# Altium PCB focDriver.PcbDoc (part 2 of 2) (continued)
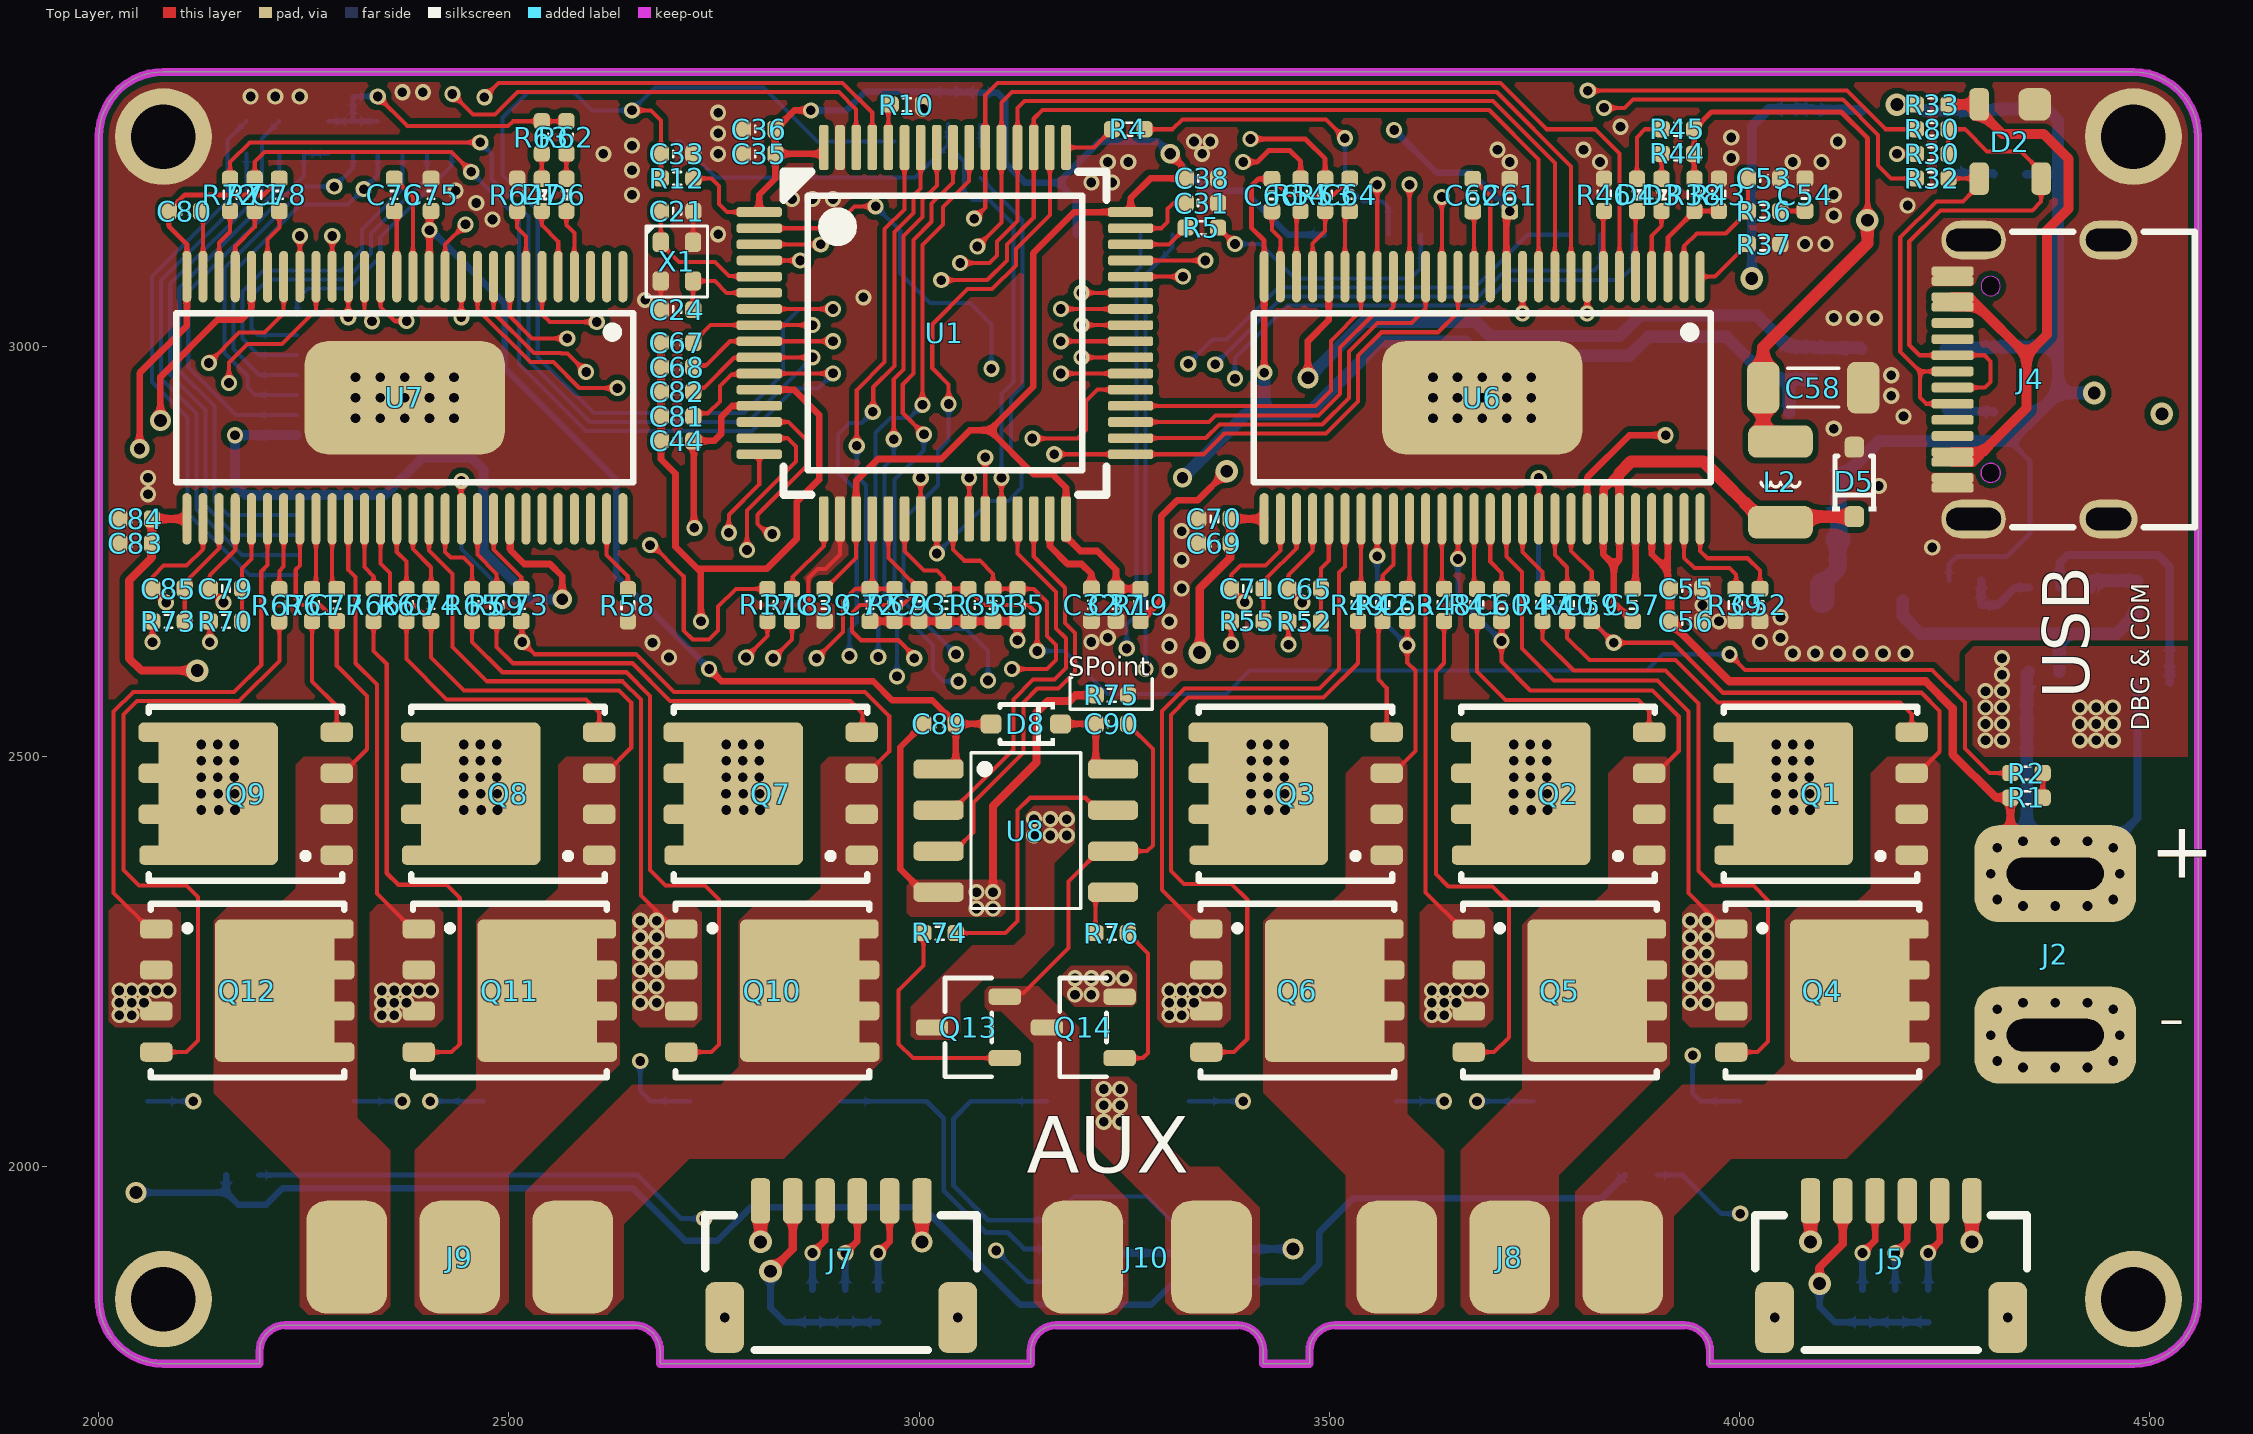
[diagram p0: Top Layer view]
## Nets (pads, with @x,y where several pads share a name; then routed paths per layer and width w, separated by ;. In a path a pad name is that pad's centre, name@x,y a point inside that pad or via, vN(x,y) a via of type N, cw(c..) or ccw(c..) an arc to the next point about the centre after c; other vN are vias at no path point) (continued)
NetR78_2: R78.2 U9.1 | length 55.1
  Bottom Layer w5: R78.2@3194.68,1860 3195.89,1858.8 3247.6,1858.8 U9.1@3248.8,1857.6
nFAULT: U1.54 U6.6 U7.6 | length 1778.6
  Top Layer w5: U7.6@2540.31,3085.32 2540.31,3039.41 2549.72,3030 v1(2607,3030) ; v1(3067,3156) 3080.63,3169.63 U1.54@3080.63,3242.74 3080.63,3306.63 3095.3,3321.3 3708.7,3321.3 3765,3265 3824,3265 3853.7,3235.3 U6.6@3853.7,3085.32
  Power w5: v1(2607,3030) 2766.33,3030 2816.89,3080.56 2816.89,3112.89 2849,3145 2898,3145 2910,3133 3044,3133 v1(3067,3156)
OLED_RES: C50.1 R31.1 U5.9 | length 505.6
  Bottom Layer w5: U5.9@2241.73,2916.61 2167.39,2916.61 2109,2975 2109,3067.11 2250,3208.11 C50.1@2250,3235.32 R31.1@2280,3235.32
OLED_SCL: R24.1 U1.61 U5.10 | length 1259.6
  Top Layer w5: v1(2470,3304) 2487.3,3321.3 2906.7,3321.3 2942.84,3285.16 U1.61@2942.84,3242.74
  Power w5: v1(2287,3195) 2311,3171 2336,3171 2347,3182 2347,3230 2362,3245 2385,3245 2426,3286 2452,3286 v1(2470,3304)
  Bottom Layer w5: U5.10@2241.73,2941.02 2190.98,2941.02 2181,2951 2181,2964.44 2153,2992.44 2153,3095.56 2252.44,3195 v1(2287,3195) 2310,3218 R24.1@2310,3235.32
OLED_SDA: R25.1 U1.62 U5.11 | length 1178.7
  Top Layer w5: v1(2431,3308) 2456,3283 2483,3283 2510.3,3310.3 2902.14,3310.3 2923.15,3289.29 U1.62@2923.15,3242.74
  Power w5: v1(2323,3192) 2323,3222 2357,3256 2379,3256 v1(2431,3308)
  Bottom Layer w5: U5.11@2241.73,2965.43 2195.57,2965.43 2164,2997 2164,3091 2246,3173 2304,3173 2322,3191 2340,3209 R25.1@2340,3235.32
PGND: C2.2 C3.2 C4.2 C5.2 C6.2 C7.2 C8.2 C9.2 C10.2 C11.2 C12.2 C13.2 C14.2 C15.2 C16.2 C17.2 C18.2 C19.2 C22.2 C23.2 C65.2 C71.2 C79.2 C85.2 C86.2 C87.2 C88.2 C89.2 C92.2 J2.2 Q4.2 Q10.2 Q14.2 R7.2 R11.2 R50.2 R51.2 R68.2 R69.2 R75.2 R79.2 U2.1 U6.30 U6.32 U6.44 U7.30 U7.32 U7.44 U8.4 U9.4 | length 6729.5
  Top Layer w5: C85.2@2065.32,2704.65 v1(2082,2688) ; C85.2@2065.32,2705 2065.81,2705.49 2065.81,2719.81 2079,2733 2107,2733 2126.93,2752.93 U7.30@2126.93,2790 ; C79.2@2135.32,2704.65 v1(2152,2688) ; C79.2@2135.32,2705 2135.32,2721.32 2166.3,2752.3 U7.32@2166.3,2790 ; U7.44@2402.52,2790 2402.52,2751.48 2431,2723 2431,2634 2473,2592 2638.56,2592 2661,2569.56 2661,2331 2702,2290 Q10.2@2710,2290 ; v1(3397,2688.35) C71.2@3380.32,2705 3380.32,2721.32 3392,2733 3422.03,2733 3440.32,2751.29 U6.30@3440.32,2790 ; C65.2@3450.32,2704.65 v1(3467,2688) ; C65.2@3450.32,2705 3450.32,2721.32 3479.69,2750.69 U6.32@3479.69,2790 ; U6.44@3715.91,2790 3715.91,2744.09 3735,2725 3735,2632 3774,2593 3900,2593 3938,2555 3938,2334.13 3982.13,2290 Q4.2@3990,2290
  Top Layer w8: C89.2@3005.32,2540 2977,2511.68 2977,2363 3005,2335 U8.4@3023.7,2335
  Top Layer w10: v1(3090,2335) 3090,2440 3143,2493 3143,2554 3157,2568 3183.47,2568 3190.47,2575 R75.2@3215.32,2575
  Gnd w6: v1(2082,2688) 2100,2670 2100,2632 2077.32,2609.32 2077.32,2356.68 2165,2269 2165,2140 2225,2080 v1(2370,2080) ; v1(2152,2688) 2172,2668 2172,2619.97 2475,2316.97 2475,2204 2550,2129 v1(2660,2129) ; v1(3397,2688.35) 3397,2666 3411,2652 3411,2597.97 3429.97,2579 3468.97,2579 3532,2515.97 3532,2155 3607,2080 v1(3640,2080) ; v1(3467,2688) 3485,2670 3485,2620 3773,2332 3773,2184 3821,2136 v1(3943,2136)
  Bottom Layer w5: C92.2@3155.32,1900 3175,1919.68 3175,1950 3189,1964 3278,1964 3309.6,1932.4 U9.4@3351.2,1932.4
  Bottom Layer w6: R69.2@2310.98,2080 v1(2370,2080) ; v1(2660,2129) 2660,2093 2673,2080 R68.2@2720.98,2080 ; R79.2@2904.02,2080 3009,2080 3030,2059 3030,1971 3081,1920 3108,1920 3128,1900 C92.2@3155.32,1900 ; R51.2@3580.98,2080 v1(3640,2080) ; v1(3943,2136) 3943,2090 3953,2080 R50.2@4000.98,2080
  other v1: 2660,2200 2680,2200 3940,2200 3960,2200 3190,2210 3210,2210 2660,2220 2680,2220 3940,2220 3960,2220 3190,2230 3210,2230 3230,2230 3250,2230 2660,2240 2680,2240 3940,2240 3960,2240 2660,2260 2680,2260 3940,2260 3960,2260 2660,2280 2680,2280 3940,2280 3960,2280 2660,2300 2680,2300 3940,2300 3960,2300 3070,2315 3090,2315 3070,2335 4300,2520 4320,2520 4415,2520 4435,2520 4455,2520 4300,2540 4320,2540 4415,2540 4435,2540 4455,2540 4300,2560 4320,2560 4415,2560 4435,2560 4455,2560 4300,2580 4320,2580 4320,2600 4320,2620
SH1_A: C73.2 J9.3 Q7.2 Q10.3 U7.46 | length 871.4
  Top Layer w5: U7.46@2441.89,2790 v1(2441.89,2836.28) ; C73.2@2515,2665.32 2516,2664.32 v1(2516,2640) 2531,2625 2655,2625 2701,2579 2934,2579 2963.5,2549.5 2963.5,2506.5 2937,2480 Q7.2@2930,2480
  Bottom Layer w5: v1(2441.89,2836.28) 2441.89,2753.11 2516,2679 v1(2516,2640)
SH1_B: C74.2 J9.2 Q8.2 Q11.3 U7.41 | length 582.4
  Top Layer w5: U7.41@2343.46,2790 2343.46,2735.54 2355,2724 2355,2691 2361,2685 2384.92,2685 2404.61,2665.32 C74.2@2405,2665.32 2405,2621 2445,2581 2634,2581 2649,2566 2649,2511 2618,2480 Q8.2@2610,2480
SH1_C: C77.2 J9.1 Q9.2 Q12.3 U7.36 | length 380.9
  Top Layer w5: U7.36@2245.04,2790 2245.04,2733.04 2240,2728 2240,2693 2248,2685 2269.92,2685 2290,2664.92 2290,2611 2327,2574 2327,2509.13 2297.87,2480 Q9.2@2290,2480
SH_A: C59.2 J8.3 Q1.2 Q4.3 U6.46 | length 869.1
  Top Layer w5: U6.46@3755.28,2790 v1(3755.28,2840) ; C59.2@3820,2665.32 3820.39,2665.32 v1(3846.71,2639) 3919,2639 3980,2578 4222,2578 4244,2556 4244,2506.13 4217.87,2480 Q1.2@4210,2480
  Bottom Layer w6: v1(3755.28,2840) 3755.28,2702.72 3778,2680 3805.71,2680 v1(3846.71,2639)
SH_B: C60.2 J8.2 Q2.2 Q5.3 U6.41 | length 553.3
  Top Layer w5: v1(3656.85,2741.15) U6.41@3656.85,2790 ; C60.2@3710,2665.32 3710,2643 3710,2616 3745,2581 3894,2581 3926,2549 3926,2507 3899,2480 Q2.2@3890,2480
  Bottom Layer w6: v1(3656.85,2741.15) 3656.85,2694.15 v1(3710,2641)
SH_C: C63.2 J8.1 Q3.2 Q6.3 U6.36 | length 378.1
  Top Layer w5: v1(3558.43,2744.57) U6.36@3558.43,2790 ; Q3.2@3570,2480 3577.87,2480 3605,2507.13 3605,2605 3595,2615 C63.2@3595,2665.32 C63.2@3594.61,2665.32
  Bottom Layer w6: v1(3558.43,2744.57) 3558.43,2672.57 v1(3595,2636)
SL1_B: Q11.2 R68.1 R70.2 U7.39 | length 1350.4
  Top Layer w5: v1(2135.32,2639.68) R70.2@2135.32,2665 ; U7.39@2304.09,2790 2304.09,2727.91 2313,2719 2313,2614 2339,2588 2339,2333.13 2382.13,2290 Q11.2@2390,2290
  Gnd w6: v1(2135.32,2639.68) 2463,2312 2463,2184 2404,2125 v1(2404,2080)
  Bottom Layer w6: v1(2404,2080) R68.1@2469.02,2080
  other v1: 2345,2185 2360,2185 2345,2200 2360,2200 2375,2200 2345,2215 2360,2215 2375,2215 2390,2215 2405,2215
SL1_C: Q12.2 R69.1 R73.2 U7.34 | length 1369
  Top Layer w5: v1(2065.32,2639.68) R73.2@2065.32,2665 ; Q12.2@2070,2290 2062.13,2290 2018,2334.13 2018,2555 2042,2579 2165,2579 2198,2612 2198,2726 2205.67,2733.67 U7.34@2205.67,2790
  Gnd w6: v1(2065.32,2639.68) 2065.32,2351.71 2153,2264.03 2153,2118 v1(2115,2080)
  Bottom Layer w6: R69.1@2059.02,2080 v1(2115,2080)
  other v1: 2025,2185 2040,2185 2025,2200 2040,2200 2055,2200 2025,2215 2040,2215 2055,2215 2070,2215 2085,2215
SL_B: Q5.2 R50.1 R52.2 U6.39 | length 1343.4
  Top Layer w5: v1(3450.32,2636.68) R52.2@3450.32,2665 ; U6.39@3617.48,2790 3617.48,2334.65 3662.13,2290 Q5.2@3670,2290
  Gnd w6: v1(3450.32,2636.68) 3761,2326 3761,2207 3679.01,2125.01 3679.01,2080.99 v1(3680,2080)
  Bottom Layer w6: v1(3680,2080) R50.1@3749.02,2080
  other v1: 3625,2185 3640,2185 3625,2200 3640,2200 3655,2200 3625,2215 3640,2215 3655,2215 3670,2215 3685,2215
SL_C: Q6.2 R51.1 R55.2 U6.34 | length 1543.4
  Top Layer w5: Q6.2@3350,2290 3343.7,2290 3333.31,2300.38 3333.31,2300.49 3296,2337.81 3296,2555.56 3323.44,2583 3488,2583 3512,2607 3512,2724.82 3519.06,2731.88 U6.34@3519.06,2790 ; v1(3380.32,2636.68) R55.2@3380.32,2665
  Gnd w6: v1(3380.32,2636.68) 3380.32,2611.68 3425,2567 3464,2567 3520,2511 3520,2128 3472,2080 v1(3395,2080)
  Bottom Layer w6: R51.1@3329.02,2080 v1(3395,2080)
  other v1: 3305,2185 3320,2185 3305,2200 3320,2200 3335,2200 3305,2215 3320,2215 3335,2215 3350,2215 3365,2215
SPI_MISO: U1.52 U6.10 U7.10 | length 1806.1
  Top Layer w5: U7.10@2461.57,3085.32 2461.57,3045.43 2526,2981 2554,2981 2585.63,2949.37 v1(2632.35,2949.37) ; v1(3050,3102) 3086,3102 3095,3111 3095,3128 3120,3153 U1.52@3120,3242.74 3120,3291 3128.3,3299.3 3699.58,3299.3 3774.96,3223.93 U6.10@3774.96,3085.32
  Power w5: v1(2632.35,2949.37) 2668.98,2986 2785,2986 2910,3111 3019,3111 3028,3102 v1(3050,3102)
SPI_MOSI: U1.53 U6.9 U7.9 | length 1786.2
  Top Layer w5: U7.9@2481.26,3085.32 2481.26,3041.3 2530.56,2992 2563.56,2992 2563.9,2991.66 2571.34,2991.66 v1(2594,2969) ; v1(3071,3122) 3100.32,3151.32 3100.32,3297.32 3113.3,3310.3 3704.14,3310.3 3794.65,3219.79 U6.9@3794.65,3085.32
  Power w5: v1(2594,2969) 2620.11,2969 2648.11,2997 2780,2997 2905,3122 v1(3071,3122)
SPI_SCK: U1.51 U6.11 U7.11 | length 1821.2
  Top Layer w5: v1(2441.89,3035.67) U7.11@2441.89,3085.67 ; U7.11@2441.89,3085.32 U7.11@2441.89,3085.32 ; v1(3027,3081) 3083,3081 3107,3105 3107,3124.44 3139.69,3157.13 U1.51@3139.69,3242.74 3139.69,3277.8 3150.19,3288.3 3695.03,3288.3 3755.28,3228.05 U6.11@3755.28,3085.32
  Power w5: v1(2441.89,3035.67) 2477.33,3035.67 2584,2929 2650,2929 2696,2975 2790.26,2975 2914.26,3099 3009,3099 v1(3027,3081)
STA_LED: D1.1 U1.24 | length 588.4
  Top Layer w5: v1(3021.58,2747.81) U1.24@3021.58,2790
  Bottom Layer w5: v1(3021.58,2747.81) 3085.77,2812 3109,2812 3125,2828 3125,2857 3112,2870 3112,2938 3126,2952 3126,3153.56 3120.37,3159.19 3120.37,3159.95 D1.1@3075,3205.32
SWCLK: R4.2 U1.49 | length 65.5
  Top Layer w5: U1.49@3179.06,3242.74 3213.05,3242.74 R4.2@3235.32,3265
SWDIO: R5.2 U1.46 | length 75.6
  Top Layer w5: U1.46@3257.79,3124.64 3304.64,3124.64 R5.2@3325,3145
UART_RX: R18.2 U1.17 | length 101.4
  Top Layer w5: R18.2@2845,2704.68 2845.88,2705.56 2845.88,2719.1 2883.78,2757 U1.17@2883.78,2790
UART_TX: R17.2 U1.16 | length 498.8
  Top Layer w5: v1@2672,2761 2713,2720 2713,2654 2724,2643 2744,2643 2755,2654 2755,2683 2776.68,2704.68 R17.2@2815,2704.68 ; v1(2768,2773) 2768,2795 2805.05,2832.05 U1.16@2805.05,2868.73
  Power w5: v1(2672,2758) 2687,2743 2738,2743 v1(2768,2773)
USB_D+: D2.4 J4.A6 J4.B6 R30.1 R80.1 | length 689.3
  Top Layer w5: R30.1@4254.69,3235 R80.1@4254.69,3265 4275,3265 4302,3238 4343,3238 4367.8,3213.2 4367.8,3176.8 4357,3166 4245,3166 4207,3128 4207,3002 4219.55,2989.45 J4.B6@4259.84,2989.45 4298.55,2989.45 4306,2982 4306,2957 4299.08,2950.08 J4.A6@4259.84,2950.08
USB_D-: D2.3 J4.A7 J4.B7 R32.1 | length 460.7
  Top Layer w5: R32.1@4249.69,3205 4291.93,3205 D2.3@4292.2,3204.72 4292.2,3196.85 4272.35,3177 4240,3177 4196,3133 4196,2994 4220.24,2969.76 ; J4.B7@4259.84,2930.39 4227.61,2930.39 4220.24,2937.76 4220.24,2969.76 ; J4.A7@4259.84,2969.76 4220.24,2969.76
USB_DM: R32.2 U1.44 | length 1149.6
  Top Layer w5: U1.44@3257.79,3085.27 v1(3321.73,3085.27) ; v1(3835,3291) 3860,3291 3870,3301 4126,3301 4169,3258 4169,3221 4185,3205 R32.2@4215.31,3205
  Power w5: v1(3321.73,3085.27) 3365.27,3085.27 3373.89,3093.89 3491.89,3093.89 3531,3133 3531,3203.44 3548.56,3221 3641,3221 3711,3291 v1(3835,3291)
USB_DP: R80.2 U1.45 | length 1103.2
  Top Layer w5: U1.45@3257.79,3104.95 v1(3348.95,3104.95) ; v1(3815,3312) 4131,3312 4178,3265 R80.2@4215.31,3265
  Power w5: v1(3348.95,3104.95) 3485.95,3104.95 3519,3138 3519,3207 3547,3235 3639,3235 3706,3302 3786.51,3302 3796.51,3312 v1(3815,3312)
USB_VCC: D2.2 J4.A4 J4.A9 J4.B4 J4.B9 R33.1 | length 807.5
  Top Layer w12: R33.1@4254.96,3295.28 D2.2@4292.2,3295.28 ; J4.A4@4259.84,2859.53 4284.53,2859.53 4296.34,2871.34 ; J4.B9@4259.84,2871.34 4296.34,2871.34 ; J4.A9@4259.85,3060.32 4279.35,3060.32 4291.07,3048.59 ; J4.B4@4259.94,3048.59 4291.07,3048.59 ; 4291.25,3048.59 4291.07,3048.59 ; D2.2@4295.43,3284.17 4320.61,3259 4371,3259 4401,3229 4401,3168 4375,3142 4375,3014.67 4350,2989.67 ; 4305,2880 4296.34,2871.34 ; 4291.07,3048.59 4350,2989.67 ; 4296.34,2871.34 4350,2925 4350,2989.67
VBUS_S: C1.1 R2.1 R3.2 U1.22 | length 1607.2
  Top Layer w5: U1.22@2982.21,2790 2982.41,2789.8 2982.41,2750.59 3006,2727 3022,2727 3029.9,2719.1 3029.9,2704.78 C1.1@3030,2704.68 R3.2@3060,2704.68 3079.68,2685 3133,2685 3144,2674 v1(3144,2629) ; v1(3988,2625) 4007,2606 4235,2606 4275,2566 4275,2510 4305,2480 R2.1@4330.31,2480
  Bottom Layer w5: v1(3144,2629) 3177,2629 3229.5,2576.5 3374.5,2576.5 3403,2605 3887,2605 3907,2625 v1(3988,2625)
VCC: C42.1 C43.1 C47.1 J5.2 J7.2 R19.1 R21.2 R22.2 R23.2 R24.2 R25.2 R27.2 R28.2 R29.2 R30.2 R31.2 R62.1 R63.1 U4.5 U5.5 U5.8 U6.49 U7.49 | length 8468.4
  Top Layer w5: v1(2340,3305) 2376,3269 2499,3269 2504.68,3274.68 R63.1@2540,3274.68 R62.1@2570,3274.68 ; v1(4192,3235) R30.2@4215.31,3235
  Top Layer w8: U7.49@2500.94,2790 2501.52,2789.42 2501.52,2752.16 2518.68,2735 2550,2735 2565,2720 v4(2565,2691.89) ; R19.1@3270,2665.32 3295,2690.32 3295,2793 3314.51,2812.51 3339.51,2812.51 v2(3375,2848) ; U6.49@3814.33,2790 3814.33,2840.33 3866,2892 v1(3910,2892)
  Top Layer w10: v2(2818.79,1872.79) 2845.94,1899.94 J7.2@2845.94,1958.62 ; v2(4097.79,1857.79) 4097.64,1857.94 4097.64,1877.64 4125.94,1905.94 J5.2@4125.94,1958.62
  Power w5: 4182,3083 4182,3198 4192,3208 v1(4192,3235)
  Power w6: v1(2166,2892) 2108,2950 2108,2995 2206,3093 2206,3171 v1(2340,3305)
  Power w12: v4(2565,2691.89) 3132.89,2691.89 3345,2904 3375,2904 ; v2(2818.79,1872.79) 2818.79,1873.32 2841,1895.52 2841,1953.42 2873.08,1985.5 4014.5,1985.5 4043.38,1956.62 4043.38,1881.62 4067.21,1857.79 v2(4097.79,1857.79) 4307.79,1857.79 4390,1940 4447.58,1940 4542.06,2034.48 4542.06,2890.94 v2(4515,2918) 4436,2997 4268,2997 4182,3083 v2(4015,3083) 3936,3004 ; v2(3375,2848) 3375,2904 ; v1(3910,2892) 3936,2918 3936,3004 ; 3375,2904 3464,2904 3599,3039 3669,3039 3704,3004 3936,3004
  Bottom Layer w6: R31.2@2280,3274.68 R24.2@2310,3274.68 ; R25.2@2340,3274.68 R24.2@2310,3274.68 ; v1(2340,3305) C47.1@2309.68,3305 2309.84,3304.84 2309.84,3274.84 R24.2@2310,3274.68
  Bottom Layer w8: v2(2818.79,1872.79) 2818.79,1828.21 2836.37,1810.63 R27.2@2870,1810.63 R28.2@2910,1810.63 R29.2@2950,1810.63 ; v2(4097.79,1857.79) 4097.79,1829.21 4116.37,1810.63 R21.2@4150,1810.63 R22.2@4190,1810.63 R23.2@4230,1810.63
  Bottom Layer w12: U5.8@2241.73,2892.2 2241.63,2892.1 2166.1,2892.1 v1(2166,2892) 2166,2832 2179.02,2818.98 U5.5@2241.73,2818.98 2348.98,2818.98 2395,2865 2454,2865 2469,2850 2469,2751 2528.11,2691.89 v4(2565,2691.89) ; v2(4015,3083) 4015,3269 4035.68,3289.68 C42.1@4060,3289.68 C43.1@4090,3289.68 4091.14,3288.54 4147.66,3288.54 U4.5@4148.8,3287.4
VDD3V3: C35.1 C36.1 C37.1 C38.1 C39.1 J1.1 J3.1 R12.2 R13.2 R19.2 R20.1 U1.1 U1.19 U1.32 U1.48 U1.64 | length 2355.9
  Top Layer w5: R12.2@2724.68,3205 2747,3205 2756,3196 2756,3174 2765.99,3164.01 U1.1@2805.05,3164.01 ; C39.1@2885,2704.68 2885.39,2704.68 2923.15,2742.44 U1.19@2923.15,2790
  Top Layer w8: U1.1@2805.05,3164.01 2805.05,3185.05 2824.68,3204.68 C35.1@2824.68,3235 ; C36.1@2824.68,3265.39 C36.1@2824.68,3265 ; v1(2868,3288) 2847.68,3288 C36.1@2824.68,3265 ; U1.64@2883.78,3242.74 2883.78,3236.76 2882.02,3235 C35.1@2824.68,3235 ; U1.19@2923.15,2790 2923.15,2836.15 2950,2863 3027,2863 3062,2898 3086,2898 ; C37.1@3240,2705 3240.16,2704.84 3269.84,2704.84 R19.2@3270,2704.68 ; C37.1@3240,2705.1 3240,2728 3217.19,2750.81 3196.6,2750.81 3179.06,2768.35 U1.32@3179.06,2790 3179.06,2827.94 3162.53,2844.47 3139.53,2844.47 3086,2898 ; v4(3306,3235) 3320.04,3220.96 3320.04,3210.27 C38.1@3325.32,3205 3282,3205 3257.79,3180.79 U1.48@3257.79,3164.01 3189.01,3164.01 3139,3114 3139,2951 3086,2898 ; C35.1@2824.68,3235 C36.1@2824.68,3265
  Bottom Layer w8: v1(2868,3288) 2911.37,3288 2934.05,3310.68 R13.2@3035,3310.68 ; R13.2@3035,3310.18 3074.5,3310.18 R20.1@3075,3309.68 3095.32,3309.68 3105,3300 3105,3224 3129.05,3199.95 3169.95,3199.95 ; J3.1@3190.95,3136.38 3190.95,3178.95 3169.95,3199.95 ; v4(3306,3235) 3291,3250 3220,3250 3169.95,3199.95 ; v4@3310,3231 3351,3190 3396,3190 3449.62,3136.38 J1.1@3493.45,3136.38
pads on no net: J4.A5 J4.A8 J4.B5 J4.B8 U3.4 U4.4 U5.6 U7.1 U7.2 U7.3 U7.50 U7.51 U7.52 U7.53 U7.54 U7.56

## Polygon pours and split planes (outlines as drawn)
GND on Top Layer "GND_L01_P080" (solid, pour order 80): 2080,3335 ccw(c2080,3255) 2000,3255 2000,2570 4560,2570 4560,3255 ccw(c4480,3255) 4480,3335
PGND on Top Layer "PGND_L01_P075" (solid, pour order 75): 4275,2500 4560,2500 4560,2635 4285.82,2635 4275,2624.18
PGND on Top Layer "PGND_L01_P078" (solid, pour order 78): 2992,2350 2985,2343 2985,2310 2990,2305 3100,2305 3105,2310 3105,2345 3100,2350
DCBUS on Top Layer "DCBUS_L01_P070" (solid, pour order 70): 3190,2430 3190,2395 3165,2370 3165,2270 3125,2230 3080,2230 3050,2200 3050,2165 3040,2155 2995,2155 2990,2160 2990,2195 3065,2270 3115.51,2270 3130,2284.49 3130,2430 3140,2440 3180,2440
PGND on Top Layer "PGND_L01_P066" (solid, pour order 66): 3260,2195 3265,2200 3265,2235 3255,2245 3185,2245 3175,2235 3175,2210 3190,2195
NetJ10_2 on Top Layer "NETJ10_2_L01_P063" (solid, pour order 63): 3215,2110 3210,2105 3210,2030 3300,1940 3300,1835 3315,1820 3405,1820 3415,1830 3415,1950 3365,2000 3330,2000 3265,2065 3265,2100 3255,2110
NetC90_2 on Top Layer "NETC90_2_L01_P059" (solid, pour order 59): 3195,2170 3195,2020 3255,1960 3255,1835 3240,1820 3155,1820 3140,1835 3140,2150 3100,2190 3085,2190 3080,2195 3080,2215 3085,2220 3145,2220
SH1_C on Top Layer "SH1_C_L01_P041" (solid, pour order 41): 2305,2500 2315,2490 2315,2060 2355,2020 2355,1830 2345,1820 2255,1820 2245,1830 2245,1985 2140,2090 2140,2300 2160,2320 2220,2320 2240,2340 2240,2490 2250,2500
SH1_B on Top Layer "SH1_B_L01_P040" (solid, pour order 40): 2625,2500 2635,2490 2635,2125 2500,1990 2500,1835 2485,1820 2395,1820 2385,1830 2385,2020 2460,2095 2460,2300 2480,2320 2540,2320 2560,2340 2560,2490 2570,2500
SH1_A on Top Layer "SH1_A_L01_P039" (solid, pour order 39): 2945,2500 2955,2490 2955,2130 2835,2010 2720,2010 2640,1930 2640,1840 2620,1820 2530,1820 2520,1830 2520,1970 2650,2100 2758.07,2100 2780,2121.93 2780,2300 2800,2320 2860,2320 2880,2340 2880,2490 2890,2500
PGND on Top Layer "PGND_L01_P056" (solid, pour order 56): 2725,2320 2735,2310 2735,2180 2725,2170 2660,2170 2650,2180 2650,2310 2660,2320
SL1_B on Top Layer "SL1_B_L01_P053" (solid, pour order 53): 2410,2320 2420,2310 2420,2180 2410,2170 2340,2170 2330,2180 2330,2310 2340,2320
SL1_C on Top Layer "ryy" (solid, pour order 52): 2090,2320 2100,2310 2100,2180 2090,2170 2020,2170 2010,2180 2010,2310 2020,2320
PGND on Top Layer "PGND_L01_P051" (solid, pour order 51): 4005,2320 4015,2310 4015,2180 4005,2170 3940,2170 3930,2180 3930,2310 3940,2320
SH_A on Top Layer "SH_A_L01_P005" (solid, pour order 5): 4055,2125 4030,2100 3930,2100 3800,1970 3800,1830 3810,1820 3910,1820 3920,1830 3920,1940 3990,2010 4130,2010 4245,2125 4245,2490 4235,2500 4180,2500 4160,2480 4160,2340 4140,2320 4075,2320 4055,2300
SL_C on Top Layer "SL_C_L01_P024" (solid, pour order 24): 3370,2320 3380,2310 3380,2180 3370,2170 3300,2170 3290,2180 3290,2310 3300,2320
SL_B on Top Layer "SL_B_L01_P025" (solid, pour order 25): 3690,2320 3700,2310 3700,2180 3690,2170 3620,2170 3610,2180 3610,2310 3620,2320
SH_C on Top Layer "SH_C_L01_P008" (solid, pour order 8): 3585,2500 3595,2490 3595,2065 3640,2020 3640,1830 3630,1820 3530,1820 3520,1830 3520,1990 3419.49,2090.51 3419.49,2299.49 3440,2320 3500,2320 3520,2340 3520,2480 3540,2500
SH_B on Top Layer "SH_B_L01_P028" (solid, pour order 28): 3910,2500 3915,2495 3915,2125 3780,1990 3780,1830 3770,1820 3670,1820 3660,1830 3660,2020 3735,2095 3735,2295 3760,2320 3820,2320 3840,2340 3840,2480 3860,2500
GND on Bottom Layer "GND_L04_P083" (solid, pour order 83): 2080,3335 ccw(c2080,3255) 2000,3255 2000,2575 4560,2575 4560,3255 ccw(c4480,3255) 4480,3335
GND on Bottom Layer "GND_L04_P085" (solid, remove dead copper, pour order 85): 4560,1990 2000,1990 2000,1840 ccw(c2080,1840) 2080,1760 4480,1760 ccw(c4480,1840) 4560,1840
PGND on Bottom Layer "PGND_L04_P001" (solid, pour order 1): 4275,2530 4310,2495 4540,2495 4560,2515 4560,2625 4550,2635 4285.82,2635 4275,2624.18
DCBUS on Bottom Layer "DCBUS_L04_P081" (solid, pour order 81): 4280,2280 4190,2370 2078.74,2370 2078.74,2545 4235,2545 4320,2460 4480,2460 4490,2450 4490,2301.5 4468.5,2280
PGND on Bottom Layer "PGND_L04_P045" (solid, pour order 45): 4490,2240 4470,2260 4270,2260 4180,2350 2078.74,2350 2078.74,2190 4100,2190 4230,2060 4470,2060 4490,2080
NetJ10_2 on Bottom Layer "NETJ10_2_L04_P064" (solid, pour order 64): 3245,2010 3260,2025 3260,2135 3245,2150 3125,2150 3115,2140 3115,2020 3125,2010
PGND on Bottom Layer "PGND_L04_P065" (solid, pour order 65): 2872.61,2232.84 2947.16,2232.84 2955,2225 2955,2019.57 2945.43,2010 2875,2010 2865,2020 2865,2175 2865,2225.23
PGND on Bottom Layer "PGND_L04_P055" (solid, pour order 55): 2340,2010 2350,2020 2350,2150 2331.84,2168.16 2331.84,2200 2250,2200 2250,2020 2260,2010 2290,2010
PGND on Bottom Layer "PGND_L04_P062" (solid, pour order 62): 2689.58,2232.84 2764.13,2232.84 2771.97,2225 2771.97,2019.57 2762.4,2010 2691.97,2010 2681.97,2020 2681.97,2175 2681.97,2225.23
PGND on Bottom Layer "PGND_L04_P057" (solid, pour order 57): 3969.58,2232.84 4044.13,2232.84 4051.97,2225 4051.97,2019.57 4042.4,2010 3971.97,2010 3961.97,2020 3961.97,2175 3961.97,2225.23
SL1_C on Bottom Layer "SL1_C_L04_P014" (solid, pour order 14): 2022.84,2232.84 2092.39,2232.84 2100,2225.23 2100,2020 2090,2010 2024.48,2010 2015,2019.48 2015,2225
SL1_B on Bottom Layer "SL1_B_L04_P034" (solid, pour order 34): 2337.61,2232.84 2422.16,2232.84 2520,2135 2520,2020 2510,2010 2440,2010 2430,2020 2430,2080 2330,2180 2330,2225.23
PGND on Bottom Layer "PGND_L04_P054" (solid, pour order 54): 3610,2010 3620,2020 3620,2150 3601.84,2168.16 3601.84,2200 3520,2200 3520,2020 3530,2010 3560,2010
SL_C on Bottom Layer "SL_C_L04_P043" (solid, pour order 43): 3297.61,2232.84 3372.16,2232.84 3380,2225 3380,2019.57 3370.43,2010 3300,2010 3290,2020 3290,2175 3290,2225.23
SL_B on Bottom Layer "SL_B_L04_P038" (solid, pour order 38): 3617.61,2232.84 3702.16,2232.84 3800,2135 3800,2020 3790,2010 3714.09,2010 3702.16,2021.94 3702.16,2087.84 3610,2180 3610,2225.23
GND on Power "GND_L02_P082" (solid, pour order 82): 2080,3335 ccw(c2080,3255) 2000,3255 2000,2565 4560,2565 4560,3255 ccw(c4480,3255) 4480,3335
DCBUS on Power "DCBUS_L02_P042" (solid, pour order 42): 4290,2280 4195,2375 2090,2375 2090,2540 4240,2540 4320,2460 4465,2460 4490,2435 4490,2301.5 4468.5,2280
PGND on Power "PGND_L02_P037" (solid, pour order 37): 4490,2225 4470,2245 4275,2245 4170,2350 2195.91,2350 2195.91,2185 4105,2185 4215,2075 4470,2075 4490,2095
GND on Gnd "GND_L03_P086" (solid, remove dead copper, pour order 86): 4560,2585 4500,2585 4500,2075 4415,1990 2000,1990 2000,1840 ccw(c2080,1840) 2080,1760 4480,1760 ccw(c4480,1840) 4560,1840
GND on Gnd "GND_L03_P084" (solid, pour order 84): 2080,3335 ccw(c2080,3255) 2000,3255 2000,2570 4560,2570 4560,3255 ccw(c4480,3255) 4480,3335
PGND on Gnd "PGND_L03_P074" (solid, pour order 74): 4455,2500 4470,2515 4470,2604.33 4439.32,2635 4294.49,2635 4139,2479.51 4139,2181 4220,2100 4470,2100 4485,2115 4485,2210 4470,2225 4285,2225 4255,2255 4255,2420 4335,2500

## Keep-outs
Keep-Out Layer:
  lines w10: 2000,1838.74 ccw(c2078.74,1838.74) 2078.74,1760 2195.91,1760 2195.91,1775.59 cw(c2227.4,1775.59) 2227.4,1807.09 2440,1807.09 2652.6,1807.09 cw(c2652.6,1775.59) 2684.09,1775.59 2684.09,1760 3136.02,1760 3136.02,1775.59 cw(c3167.52,1775.59) 3167.52,1807.09 3277.76,1807.09 3387.99,1807.09 cw(c3387.99,1775.59) 3419.49,1775.59 3419.49,1760 3475.91,1760 3475.91,1775.59 cw(c3507.4,1775.59) 3507.4,1807.09 3720,1807.09 3932.6,1807.09 cw(c3932.6,1775.59) 3964.09,1775.59 3964.09,1760 4480.31,1760 ccw(c4480.31,1838.74) 4559.06,1838.74 4559.06,3256.06 ccw(c4480.31,3256.06) 4480.32,3334.8 2078.74,3334.8 ccw(c2078.74,3256.06) 2000,3256.06 2000,1838.74

## Silkscreen, mask and mechanical layers (free items; w line width, h text height)
Top Overlay:
  lines w3.94: 3183.94,2597 3183.94,2558 3284,2558 3284.05,2558 3284.05,2595 ; 3184,2597 3186,2597
  text "SPoint" at 3182.03,2590.9 h39.37
  text "USB" at 4445.62,2570.47 h98.43 r90
  text "DBG & COM" at 4506.83,2532 h37.4 r90
  text "+" at 4500,2330 h118.11
  text "-" at 4510,2130 h118.11
  text "AUX" at 3131.08,1970.59 h118.11
Bottom Overlay:
  lines w3.94: 4152.56,2259 4152.56,2109 4260,2109 4260,2260 ; 4223.94,2588 4223.94,2627 4324,2627 ; 4324.05,2590 4324.05,2627
  lines w7.87: 4130,2449.41 4280,2449.41 ; 4420,1970 4535,1970
  lines w10: 3970,2849 3970,2970
  text "Fn" at 2671.32,3097.71 h78.74
  text "RST" at 2952.18,3096.84 h78.74
  text "[    USART    ]" at 3385,3018.14 h59.06
  text "[      SWD      ]" at 3687.5,3018.14 h59.06
  text "[     GPIO      ]" at 3985,3018.14 h59.06
  text "Ver-1.1" at 3940,2937.55 h70.87
  text "Design by" at 3755.05,2920.39 h70.87
  text "monster" at 3940,2845 h137.8
  text "[ Field Oriented Control ]" at 3975,2760 h74.8
  text "PMSM/BLDC Driver" at 3975,2679.6 h98.43
  text "[ Double Channel ]" at 3975,2574.56 h82.68
  text "SPoint" at 4325.97,2555.9 h39.37
  text "OLED 128×64" at 2449.66,2506.8 h94.49
  text "24V" at 4277.45,2467.8 h118.11
  text "[50A]" at 3975,2445.47 h98.43
  text "+" at 4150.59,2405.35 h196.85 r180
  text "_" at 4170.29,2102.57 h196.85 r270
  text "M2×4" at 4535,1985 h62.99
  text "GND" at 4525,1920 h62.99
  text "Enc1" at 2998,1877.17 h70.87
  text "Enc0" at 4278,1877.17 h70.87
  text "M1" at 2553.85,1838.78 h157.48
  text "M0" at 3863.74,1838.78 h157.48